# Altium PCB PCB1.PcbDoc (part 9 of 14)
Units mm, origin at the board's own origin, x right, y up, seen from the top; angles counter-clockwise.
Board outline 77.2 x 62.23 mm, 2 copper layers (Top Layer, Bottom Layer); 102 components, 131 nets, 23089 pads, 324 vias.
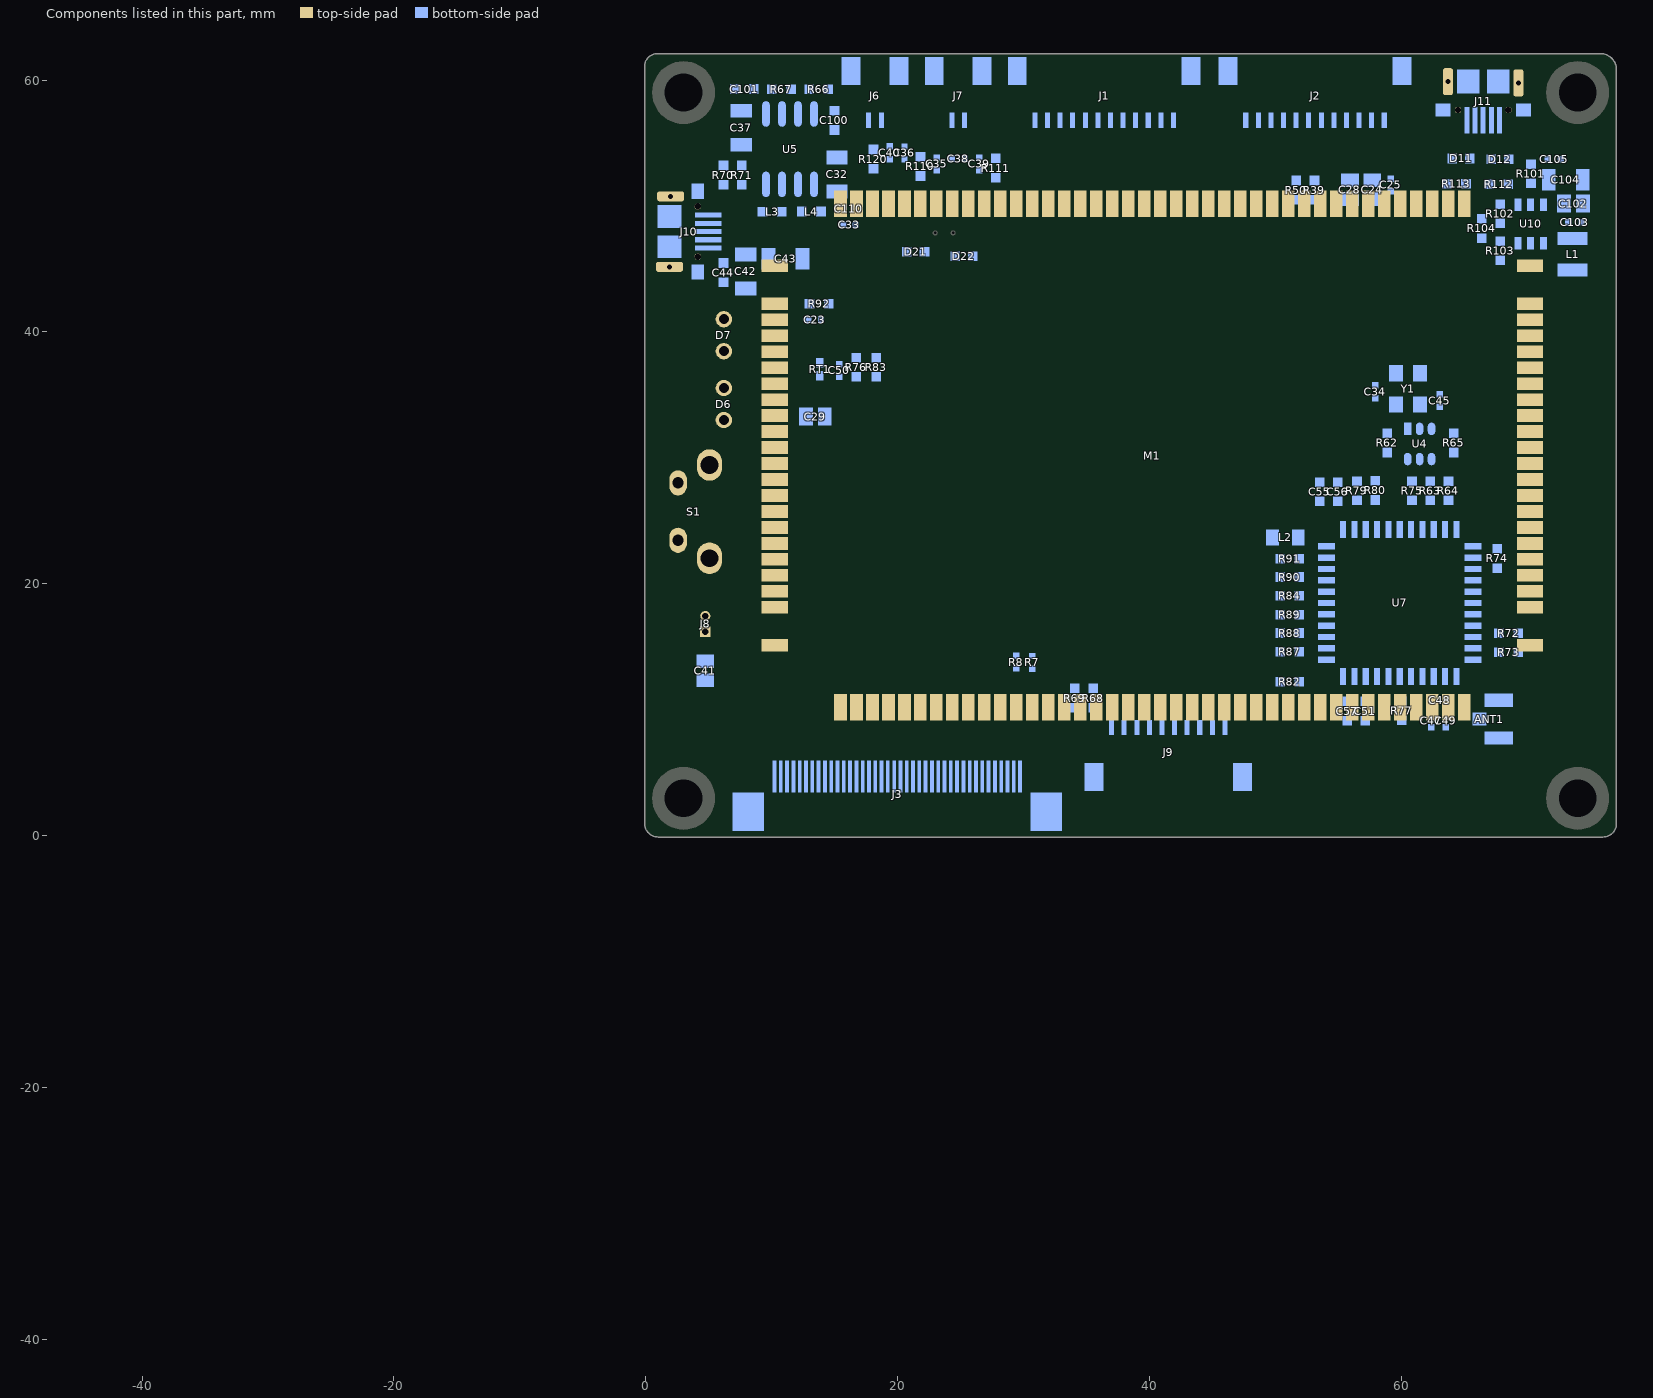
[diagram p9: the components of this part, seen from the top]

## Free pads (board coordinates) (continued)
  round 0 on Mech2: 1(-45.229,-40.511) 1(-45.229,-40.51) 1(-45.229,-40.51) 1(-45.229,-40.51) 1(-45.229,-40.51) 1(-45.229,-40.51) 1(-45.229,-40.51) 1(-45.229,-40.502) 1(-45.229,-40.502) 1(-45.229,-40.502) 1(-45.229,-40.466) 1(-45.229,-40.466) 1(-45.229,-40.466) 1(-45.229,-40.497) 1(-45.229,-40.497) 1(-45.229,-40.497) 1(-45.229,-40.488) 1(-45.229,-40.488) 1(-45.229,-40.488) 1(-45.229,-40.488) 1(-45.229,-40.488) 1(-45.229,-40.488) 1(-45.229,-40.484) 1(-45.229,-40.484) 1(-45.229,-40.484) 1(-45.229,-40.484) 1(-45.229,-40.484) 1(-45.229,-40.484) 1(-45.229,-40.49) 1(-45.229,-40.49) 1(-45.229,-40.49) 1(-45.229,-40.49) 1(-45.229,-40.49) 1(-45.229,-40.49) 1(-45.229,-40.489) 1(-45.229,-40.489) 1(-45.229,-40.489) 1(-45.229,-40.489) 1(-45.229,-40.489) 1(-45.229,-40.489) 1(-45.229,-40.475) 1(-45.229,-40.475) 1(-45.229,-40.475) 1(-45.229,-40.511) 1(-45.229,-40.511) 1(-45.229,-40.511) 1(-45.229,-40.467) 1(-45.229,-40.467) 1(-45.229,-40.467) 1(-45.229,-40.467) 1(-45.229,-40.467) 1(-45.229,-40.467) 1(-45.229,-40.488) 1(-45.229,-40.488) 1(-45.229,-40.488) 1(-45.229,-40.488) 1(-45.229,-40.488) 1(-45.229,-40.488) 1(-45.229,-40.484) 1(-45.229,-40.484) 1(-45.229,-40.484) 1(-45.229,-40.484) 1(-45.229,-40.484) 1(-45.229,-40.484) 1(-45.229,-40.471) 1(-45.229,-40.471) 1(-45.229,-40.471) 1(-45.228,-40.5) 1(-45.228,-40.5) 1(-45.228,-40.5) 1(-45.228,-40.5) 1(-45.228,-40.5) 1(-45.228,-40.5) 1(-45.228,-40.499) 1(-45.228,-40.499) 1(-45.228,-40.499) 1(-45.228,-40.499) 1(-45.228,-40.499) 1(-45.228,-40.499) 1(-45.228,-40.466) 1(-45.228,-40.466) 1(-45.228,-40.466) 1(-45.228,-40.493) 1(-45.228,-40.493) 1(-45.228,-40.493) 1(-45.228,-40.493) 1(-45.228,-40.493) 1(-45.228,-40.493) 1(-45.228,-40.489) 1(-45.228,-40.489) 1(-45.228,-40.489) 1(-45.228,-40.489) 1(-45.228,-40.489) 1(-45.228,-40.489) 1(-45.228,-40.5) 1(-45.228,-40.5) 1(-45.228,-40.5) 1(-45.228,-40.5) 1(-45.228,-40.5) 1(-45.228,-40.5) 1(-45.228,-40.469) 1(-45.228,-40.469) 1(-45.228,-40.469) 1(-45.228,-40.469) 1(-45.228,-40.469) 1(-45.228,-40.469) 1(-45.228,-40.473) 1(-45.228,-40.473) 1(-45.228,-40.473) 1(-45.228,-40.473) 1(-45.228,-40.473) 1(-45.228,-40.473) 1(-45.228,-40.517) 1(-45.228,-40.517) 1(-45.228,-40.517) 1(-45.228,-40.488) 1(-45.228,-40.488) 1(-45.228,-40.488) 1(-45.228,-40.488) 1(-45.228,-40.488) 1(-45.228,-40.488) 1(-45.228,-40.484) 1(-45.228,-40.484) 1(-45.228,-40.484) 1(-45.228,-40.484) 1(-45.228,-40.484) 1(-45.228,-40.484) 1(-45.228,-40.47) 1(-45.228,-40.47) 1(-45.228,-40.47) 1(-45.228,-40.47) 1(-45.228,-40.47) 1(-45.228,-40.47) 1(-45.228,-40.509) 1(-45.228,-40.509) 1(-45.228,-40.509) 1(-45.228,-40.508) 1(-45.228,-40.508) 1(-45.228,-40.508) 1(-45.228,-40.507) 1(-45.228,-40.507) 1(-45.228,-40.507) 1(-45.228,-40.507) 1(-45.228,-40.507) 1(-45.228,-40.507) 1(-45.228,-40.507) 1(-45.228,-40.507) 1(-45.228,-40.507) 1(-45.228,-40.507) 1(-45.228,-40.507) 1(-45.228,-40.507) 1(-45.228,-40.5) 1(-45.228,-40.5) 1(-45.228,-40.5) 1(-45.228,-40.5) 1(-45.228,-40.5) 1(-45.228,-40.5) 1(-45.228,-40.473) 1(-45.228,-40.473) 1(-45.228,-40.473) 1(-45.228,-40.473) 1(-45.228,-40.473) 1(-45.228,-40.473) 1(-45.228,-40.493) 1(-45.228,-40.493) 1(-45.228,-40.493) 1(-45.228,-40.493) 1(-45.228,-40.493) 1(-45.228,-40.493) 1(-45.228,-40.489) 1(-45.228,-40.489) 1(-45.228,-40.489) 1(-45.228,-40.489) 1(-45.228,-40.489) 1(-45.228,-40.489) 1(-45.228,-40.502) 1(-45.228,-40.502) 1(-45.228,-40.502) 1(-45.228,-40.496) 1(-45.228,-40.496) 1(-45.228,-40.496) 1(-45.228,-40.473) 1(-45.228,-40.473) 1(-45.228,-40.473) 1(-45.228,-40.473) 1(-45.228,-40.473) 1(-45.228,-40.473) 1(-45.228,-40.472) 1(-45.228,-40.472) 1(-45.228,-40.472) 1(-45.228,-40.472) 1(-45.228,-40.472) 1(-45.228,-40.472) 1(-45.228,-40.468) 1(-45.228,-40.468) 1(-45.228,-40.468) 1(-45.228,-40.468) 1(-45.228,-40.468) 1(-45.228,-40.468) 1(-45.228,-40.466) 1(-45.228,-40.466) 1(-45.228,-40.466) 1(-45.228,-40.47) 1(-45.228,-40.47) 1(-45.228,-40.47) 1(-45.228,-40.47) 1(-45.228,-40.47) 1(-45.228,-40.47) 1(-45.228,-40.469) 1(-45.228,-40.469) 1(-45.228,-40.469) 1(-45.228,-40.469) 1(-45.228,-40.469) 1(-45.228,-40.469) 1(-45.228,-40.468) 1(-45.228,-40.468) 1(-45.228,-40.468) 1(-45.228,-40.468) 1(-45.228,-40.468) 1(-45.228,-40.468) 1(-45.228,-40.47) 1(-45.228,-40.47) 1(-45.228,-40.47) 1(-45.228,-40.47) 1(-45.228,-40.47) 1(-45.228,-40.47) 1(-45.228,-40.488) 1(-45.228,-40.488) 1(-45.228,-40.488) 1(-45.228,-40.488) 1(-45.228,-40.488) 1(-45.228,-40.488) 1(-45.228,-40.484) 1(-45.228,-40.484) 1(-45.228,-40.484) 1(-45.228,-40.484) 1(-45.228,-40.484) 1(-45.228,-40.484) 1(-45.228,-40.515) 1(-45.228,-40.515) 1(-45.228,-40.515) 1(-45.228,-40.51) 1(-45.228,-40.51) 1(-45.228,-40.51) 1(-45.228,-40.471) 1(-45.228,-40.471) 1(-45.228,-40.471) 1(-45.228,-40.471) 1(-45.228,-40.471) 1(-45.228,-40.471) 1(-45.228,-40.513) 1(-45.228,-40.513) 1(-45.228,-40.513) 1(-45.228,-40.492) 1(-45.228,-40.492) 1(-45.228,-40.492) 1(-45.228,-40.492) 1(-45.228,-40.492) 1(-45.228,-40.492) 1(-45.228,-40.489) 1(-45.228,-40.489) 1(-45.228,-40.489) 1(-45.228,-40.489) 1(-45.228,-40.489) 1(-45.228,-40.489) 1(-45.228,-40.47) 1(-45.228,-40.47) 1(-45.228,-40.47) 1(-45.228,-40.47) 1(-45.228,-40.47) 1(-45.228,-40.47) 1(-45.228,-40.47) 1(-45.228,-40.47) 1(-45.228,-40.47) 1(-45.228,-40.47) 1(-45.228,-40.47) 1(-45.228,-40.47) 1(-45.227,-40.473) 1(-45.227,-40.473) 1(-45.227,-40.473) 1(-45.227,-40.473) 1(-45.227,-40.473) 1(-45.227,-40.473) 1(-45.227,-40.472) 1(-45.227,-40.472) 1(-45.227,-40.472) 1(-45.227,-40.472) 1(-45.227,-40.472) 1(-45.227,-40.472) 1(-45.227,-40.487) 1(-45.227,-40.487) 1(-45.227,-40.487) 1(-45.227,-40.487) 1(-45.227,-40.487) 1(-45.227,-40.487) 1(-45.227,-40.483) 1(-45.227,-40.483) 1(-45.227,-40.483) 1(-45.227,-40.483) 1(-45.227,-40.483) 1(-45.227,-40.483) 1(-45.227,-40.477) 1(-45.227,-40.477) 1(-45.227,-40.477) 1(-45.227,-40.477) 1(-45.227,-40.477) 1(-45.227,-40.477) 1(-45.227,-40.476) 1(-45.227,-40.476) 1(-45.227,-40.476) 1(-45.227,-40.474) 1(-45.227,-40.474) 1(-45.227,-40.474) 1(-45.227,-40.474) 1(-45.227,-40.474) 1(-45.227,-40.474) 1(-45.227,-40.474) 1(-45.227,-40.474) 1(-45.227,-40.474) 1(-45.227,-40.469) 1(-45.227,-40.469) 1(-45.227,-40.469) 1(-45.227,-40.469) 1(-45.227,-40.469) 1(-45.227,-40.469) 1(-45.227,-40.468) 1(-45.227,-40.468) 1(-45.227,-40.468) 1(-45.227,-40.468) 1(-45.227,-40.468) 1(-45.227,-40.468) 1(-45.227,-40.509) 1(-45.227,-40.509) 1(-45.227,-40.509) 1(-45.227,-40.509) 1(-45.227,-40.509) 1(-45.227,-40.509) 1(-45.227,-40.468) 1(-45.227,-40.468) 1(-45.227,-40.468) 1(-45.227,-40.468) 1(-45.227,-40.468) 1(-45.227,-40.468) 1(-45.227,-40.466) 1(-45.227,-40.466) 1(-45.227,-40.466) 1(-45.227,-40.492) 1(-45.227,-40.492) 1(-45.227,-40.492) 1(-45.227,-40.492) 1(-45.227,-40.492) 1(-45.227,-40.492) 1(-45.227,-40.489) 1(-45.227,-40.489) 1(-45.227,-40.489) 1(-45.227,-40.489) 1(-45.227,-40.489) 1(-45.227,-40.489) 1(-45.227,-40.47) 1(-45.227,-40.47) 1(-45.227,-40.47) 1(-45.227,-40.47) 1(-45.227,-40.47) 1(-45.227,-40.47) 1(-45.227,-40.47) 1(-45.227,-40.47) 1(-45.227,-40.47) 1(-45.227,-40.47) 1(-45.227,-40.47) 1(-45.227,-40.47) 1(-45.227,-40.495) 1(-45.227,-40.495) 1(-45.227,-40.495) 1(-45.227,-40.495) 1(-45.227,-40.495) 1(-45.227,-40.495) 1(-45.227,-40.494) 1(-45.227,-40.494) 1(-45.227,-40.494) 1(-45.227,-40.494) 1(-45.227,-40.494) 1(-45.227,-40.494) 1(-45.227,-40.499) 1(-45.227,-40.499) 1(-45.227,-40.499) 1(-45.227,-40.487) 1(-45.227,-40.487) 1(-45.227,-40.487) 1(-45.227,-40.487) 1(-45.227,-40.487) 1(-45.227,-40.487) 1(-45.227,-40.483) 1(-45.227,-40.483) 1(-45.227,-40.483) 1(-45.227,-40.483) 1(-45.227,-40.483) 1(-45.227,-40.483) 1(-45.227,-40.507) 1(-45.227,-40.507) 1(-45.227,-40.507) 1(-45.227,-40.507) 1(-45.227,-40.507) 1(-45.227,-40.507) 1(-45.227,-40.47) 1(-45.227,-40.47) 1(-45.227,-40.47) 1(-45.227,-40.47) 1(-45.227,-40.47) 1(-45.227,-40.47) 1(-45.227,-40.507) 1(-45.227,-40.507) 1(-45.227,-40.507) 1(-45.227,-40.507) 1(-45.227,-40.507) 1(-45.227,-40.507) 1(-45.227,-40.473) 1(-45.227,-40.473) 1(-45.227,-40.473) 1(-45.227,-40.473) 1(-45.227,-40.473) 1(-45.227,-40.473) 1(-45.227,-40.492) 1(-45.227,-40.492) 1(-45.227,-40.492) 1(-45.227,-40.492) 1(-45.227,-40.492) 1(-45.227,-40.492) 1(-45.227,-40.489) 1(-45.227,-40.489) 1(-45.227,-40.489) 1(-45.227,-40.489) 1(-45.227,-40.489) 1(-45.227,-40.489) 1(-45.227,-40.472) 1(-45.227,-40.472) 1(-45.227,-40.472) 1(-45.227,-40.47) 1(-45.227,-40.47) 1(-45.227,-40.47) 1(-45.227,-40.47) 1(-45.227,-40.47) 1(-45.227,-40.47) 1(-45.227,-40.494) 1(-45.227,-40.494) 1(-45.227,-40.494) 1(-45.227,-40.494) 1(-45.227,-40.494) 1(-45.227,-40.494) 1(-45.227,-40.494) 1(-45.227,-40.494) 1(-45.227,-40.494) 1(-45.227,-40.494) 1(-45.227,-40.494) 1(-45.227,-40.494) 1(-45.227,-40.507) 1(-45.227,-40.507) 1(-45.227,-40.507) 1(-45.227,-40.507) 1(-45.227,-40.507) 1(-45.227,-40.507) 1(-45.227,-40.47) 1(-45.227,-40.47) 1(-45.227,-40.47) 1(-45.227,-40.47) 1(-45.227,-40.47) 1(-45.227,-40.47) 1(-45.227,-40.47) 1(-45.227,-40.47) 1(-45.227,-40.47) 1(-45.226,-40.468) 1(-45.226,-40.468) 1(-45.226,-40.468) 1(-45.226,-40.468) 1(-45.226,-40.468) 1(-45.226,-40.468) 1(-45.226,-40.466) 1(-45.226,-40.466) 1(-45.226,-40.466) 1(-45.226,-40.487) 1(-45.226,-40.487) 1(-45.226,-40.487) 1(-45.226,-40.487) 1(-45.226,-40.487) 1(-45.226,-40.487) 1(-45.226,-40.483) 1(-45.226,-40.483) 1(-45.226,-40.483) 1(-45.226,-40.483) 1(-45.226,-40.483) 1(-45.226,-40.483) 1(-45.226,-40.478) 1(-45.226,-40.478) 1(-45.226,-40.478) 1(-45.226,-40.478) 1(-45.226,-40.478) 1(-45.226,-40.478) 1(-45.226,-40.473) 1(-45.226,-40.473) 1(-45.226,-40.473) 1(-45.226,-40.473) 1(-45.226,-40.473) 1(-45.226,-40.473) 1(-45.226,-40.473) 1(-45.226,-40.473) 1(-45.226,-40.473) 1(-45.226,-40.468) 1(-45.226,-40.468) 1(-45.226,-40.468) 1(-45.226,-40.468) 1(-45.226,-40.468) 1(-45.226,-40.468) 1(-45.226,-40.496) 1(-45.226,-40.496) 1(-45.226,-40.496) 1(-45.226,-40.496) 1(-45.226,-40.496) 1(-45.226,-40.496) 1(-45.226,-40.494) 1(-45.226,-40.494) 1(-45.226,-40.494) 1(-45.226,-40.494) 1(-45.226,-40.494) 1(-45.226,-40.494) 1(-45.226,-40.494) 1(-45.226,-40.494) 1(-45.226,-40.494) 1(-45.226,-40.494) 1(-45.226,-40.494) 1(-45.226,-40.494) 1(-45.226,-40.491) 1(-45.226,-40.491) 1(-45.226,-40.491) 1(-45.226,-40.491) 1(-45.226,-40.491) 1(-45.226,-40.491) 1(-45.226,-40.488) 1(-45.226,-40.488) 1(-45.226,-40.488) 1(-45.226,-40.488) 1(-45.226,-40.488) 1(-45.226,-40.488) 1(-45.226,-40.51) 1(-45.226,-40.51) 1(-45.226,-40.51) 1(-45.226,-40.51) 1(-45.226,-40.51) 1(-45.226,-40.51) 1(-45.226,-40.5) 1(-45.226,-40.5) 1(-45.226,-40.5) 1(-45.226,-40.5) 1(-45.226,-40.5) 1(-45.226,-40.5) 1(-45.226,-40.508) 1(-45.226,-40.508) 1(-45.226,-40.508) 1(-45.226,-40.508) 1(-45.226,-40.508) 1(-45.226,-40.508) 1(-45.226,-40.487) 1(-45.226,-40.487) 1(-45.226,-40.487) 1(-45.226,-40.487) 1(-45.226,-40.487) 1(-45.226,-40.487) 1(-45.226,-40.483) 1(-45.226,-40.483) 1(-45.226,-40.483) 1(-45.226,-40.483) 1(-45.226,-40.483) 1(-45.226,-40.483) 1(-45.226,-40.502) 1(-45.226,-40.502) 1(-45.226,-40.502) 1(-45.226,-40.5) 1(-45.226,-40.5) 1(-45.226,-40.5) 1(-45.226,-40.481) 1(-45.226,-40.481) 1(-45.226,-40.481) 1(-45.226,-40.481) 1(-45.226,-40.481) 1(-45.226,-40.481) 1(-45.226,-40.503) 1(-45.226,-40.503) 1(-45.226,-40.503) 1(-45.226,-40.509) 1(-45.226,-40.509) 1(-45.226,-40.509) 1(-45.226,-40.509) 1(-45.226,-40.509) 1(-45.226,-40.509) 1(-45.226,-40.507) 1(-45.226,-40.507) 1(-45.226,-40.507) 1(-45.226,-40.507) 1(-45.226,-40.507) 1(-45.226,-40.507) 1(-45.226,-40.507) 1(-45.226,-40.507) 1(-45.226,-40.507) 1(-45.226,-40.507) 1(-45.226,-40.507) 1(-45.226,-40.507) 1(-45.226,-40.491) 1(-45.226,-40.491) 1(-45.226,-40.491) 1(-45.226,-40.491) 1(-45.226,-40.491) 1(-45.226,-40.491) 1(-45.226,-40.488) 1(-45.226,-40.488) 1(-45.226,-40.488) 1(-45.226,-40.488) 1(-45.226,-40.488) 1(-45.226,-40.488) 1(-45.226,-40.492) 1(-45.226,-40.492) 1(-45.226,-40.492) 1(-45.226,-40.492) 1(-45.226,-40.492) 1(-45.226,-40.492) 1(-45.226,-40.48) 1(-45.226,-40.48) 1(-45.226,-40.48) 1(-45.226,-40.48) 1(-45.226,-40.48) 1(-45.226,-40.48) 1(-45.226,-40.475) 1(-45.226,-40.475) 1(-45.226,-40.475) 1(-45.226,-40.473) 1(-45.226,-40.473) 1(-45.226,-40.473) 1(-45.226,-40.498) 1(-45.226,-40.498) 1(-45.226,-40.498) 1(-45.226,-40.498) 1(-45.226,-40.498) 1(-45.226,-40.498) 1(-45.226,-40.493) 1(-45.226,-40.493) 1(-45.226,-40.493) 1(-45.226,-40.493) 1(-45.226,-40.493) 1(-45.226,-40.493) 1(-45.226,-40.478) 1(-45.226,-40.478) 1(-45.226,-40.478) 1(-45.226,-40.478) 1(-45.226,-40.478) 1(-45.226,-40.478) 1(-45.226,-40.476) 1(-45.226,-40.476) 1(-45.226,-40.476) 1(-45.226,-40.481) 1(-45.226,-40.481) 1(-45.226,-40.481) 1(-45.226,-40.481) 1(-45.226,-40.481) 1(-45.226,-40.481) 1(-45.226,-40.51) 1(-45.226,-40.51) 1(-45.226,-40.51) 1(-45.226,-40.51) 1(-45.226,-40.51) 1(-45.226,-40.51) 1(-45.226,-40.509) 1(-45.226,-40.509) 1(-45.226,-40.509) 1(-45.226,-40.509) 1(-45.226,-40.509) 1(-45.226,-40.509) 1(-45.226,-40.476) 1(-45.226,-40.476) 1(-45.226,-40.476) 1(-45.226,-40.476) 1(-45.226,-40.476) 1(-45.226,-40.476) 1(-45.226,-40.48) 1(-45.226,-40.48) 1(-45.226,-40.48) 1(-45.226,-40.48) 1(-45.226,-40.48) 1(-45.226,-40.48) 1(-45.226,-40.506) 1(-45.226,-40.506) 1(-45.226,-40.506) 1(-45.226,-40.506) 1(-45.226,-40.506) 1(-45.226,-40.506) 1(-45.226,-40.479) 1(-45.226,-40.479) 1(-45.226,-40.479) 1(-45.226,-40.479) 1(-45.226,-40.479) 1(-45.226,-40.479) 1(-45.226,-40.48) 1(-45.226,-40.48) 1(-45.226,-40.48) 1(-45.226,-40.48) 1(-45.226,-40.48) 1(-45.226,-40.48) 1(-45.226,-40.486) 1(-45.226,-40.486) 1(-45.226,-40.486) 1(-45.226,-40.486) 1(-45.226,-40.486) 1(-45.226,-40.486) 1(-45.226,-40.483) 1(-45.226,-40.483) 1(-45.226,-40.483) 1(-45.226,-40.483) 1(-45.226,-40.483) 1(-45.226,-40.483) 1(-45.225,-40.471) 1(-45.225,-40.471) 1(-45.225,-40.471) 1(-45.225,-40.471) 1(-45.225,-40.471) 1(-45.225,-40.471) 1(-45.225,-40.471) 1(-45.225,-40.471) 1(-45.225,-40.471) 1(-45.225,-40.471) 1(-45.225,-40.471) 1(-45.225,-40.471) 1(-45.225,-40.491) 1(-45.225,-40.491) 1(-45.225,-40.491) 1(-45.225,-40.491) 1(-45.225,-40.491) 1(-45.225,-40.491) 1(-45.225,-40.49) 1(-45.225,-40.49) 1(-45.225,-40.49) 1(-45.225,-40.49) 1(-45.225,-40.49) 1(-45.225,-40.49) 1(-45.225,-40.488) 1(-45.225,-40.488) 1(-45.225,-40.488) 1(-45.225,-40.488) 1(-45.225,-40.488) 1(-45.225,-40.488) 1(-45.225,-40.506) 1(-45.225,-40.506) 1(-45.225,-40.506) 1(-45.225,-40.506) 1(-45.225,-40.506) 1(-45.225,-40.506) 1(-45.225,-40.478) 1(-45.225,-40.478) 1(-45.225,-40.478) 1(-45.225,-40.478) 1(-45.225,-40.478) 1(-45.225,-40.478) 1(-45.225,-40.472) 1(-45.225,-40.472) 1(-45.225,-40.472) 1(-45.225,-40.466) 1(-45.225,-40.466) 1(-45.225,-40.466) 1(-45.225,-40.47) 1(-45.225,-40.47) 1(-45.225,-40.47) 1(-45.225,-40.488) 1(-45.225,-40.488) 1(-45.225,-40.488) 1(-45.225,-40.488) 1(-45.225,-40.488) 1(-45.225,-40.488) 1(-45.225,-40.488) 1(-45.225,-40.488) 1(-45.225,-40.488) 1(-45.225,-40.488) 1(-45.225,-40.488) 1(-45.225,-40.488) 1(-45.225,-40.469) 1(-45.225,-40.469) 1(-45.225,-40.469) 1(-45.225,-40.469) 1(-45.225,-40.469) 1(-45.225,-40.469) 1(-45.225,-40.519) 1(-45.225,-40.519) 1(-45.225,-40.519) 1(-45.225,-40.498) 1(-45.225,-40.498) 1(-45.225,-40.498) 1(-45.225,-40.482) 1(-45.225,-40.482) 1(-45.225,-40.482) 1(-45.225,-40.482) 1(-45.225,-40.482) 1(-45.225,-40.482) 1(-45.225,-40.475) 1(-45.225,-40.475) 1(-45.225,-40.475) 1(-45.225,-40.475) 1(-45.225,-40.475) 1(-45.225,-40.475) 1(-45.225,-40.48) 1(-45.225,-40.48) 1(-45.225,-40.48) 1(-45.225,-40.48) 1(-45.225,-40.48) 1(-45.225,-40.48) 1(-45.225,-40.487) 1(-45.225,-40.487) 1(-45.225,-40.487) 1(-45.225,-40.487) 1(-45.225,-40.487) 1(-45.225,-40.487) 1(-45.225,-40.483) 1(-45.225,-40.483) 1(-45.225,-40.483) 1(-45.225,-40.483) 1(-45.225,-40.483) 1(-45.225,-40.483) 1(-45.225,-40.482) 1(-45.225,-40.482) 1(-45.225,-40.482) 1(-45.225,-40.482) 1(-45.225,-40.482) 1(-45.225,-40.482) 1(-45.225,-40.482) 1(-45.225,-40.482) 1(-45.225,-40.482) 1(-45.225,-40.482) 1(-45.225,-40.482) 1(-45.225,-40.482) 1(-45.225,-40.482) 1(-45.225,-40.482) 1(-45.225,-40.482) 1(-45.225,-40.482) 1(-45.225,-40.482) 1(-45.225,-40.482) 1(-45.225,-40.47) 1(-45.225,-40.47) 1(-45.225,-40.47) 1(-45.225,-40.47) 1(-45.225,-40.47) 1(-45.225,-40.47) 1(-45.225,-40.47) 1(-45.225,-40.47) 1(-45.225,-40.47) 1(-45.225,-40.47) 1(-45.225,-40.47) 1(-45.225,-40.47) 1(-45.224,-40.479) 1(-45.224,-40.479) 1(-45.224,-40.479) 1(-45.224,-40.479) 1(-45.224,-40.479) 1(-45.224,-40.479) 1(-45.224,-40.481) 1(-45.224,-40.481) 1(-45.224,-40.481) 1(-45.224,-40.481) 1(-45.224,-40.481) 1(-45.224,-40.481) 1(-45.224,-40.481) 1(-45.224,-40.481) 1(-45.224,-40.481) 1(-45.224,-40.481) 1(-45.224,-40.481) 1(-45.224,-40.481) 1(-45.224,-40.516) 1(-45.224,-40.516) 1(-45.224,-40.516) 1(-45.224,-40.513) 1(-45.224,-40.513) 1(-45.224,-40.513) 1(-45.224,-40.477) 1(-45.224,-40.477) 1(-45.224,-40.477) 1(-45.224,-40.477) 1(-45.224,-40.477) 1(-45.224,-40.477) 1(-45.224,-40.476) 1(-45.224,-40.476) 1(-45.224,-40.476) 1(-45.224,-40.474) 1(-45.224,-40.474) 1(-45.224,-40.474) 1(-45.224,-40.474) 1(-45.224,-40.474) 1(-45.224,-40.474) 1(-45.224,-40.473) 1(-45.224,-40.473) 1(-45.224,-40.473) 1(-45.224,-40.473) 1(-45.224,-40.473) 1(-45.224,-40.473) 1(-45.224,-40.472) 1(-45.224,-40.472) 1(-45.224,-40.472) 1(-45.224,-40.472) 1(-45.224,-40.472) 1(-45.224,-40.472) 1(-45.224,-40.475) 1(-45.224,-40.475) 1(-45.224,-40.475) 1(-45.224,-40.475) 1(-45.224,-40.475) 1(-45.224,-40.475) 1(-45.224,-40.482) 1(-45.224,-40.482) 1(-45.224,-40.482) 1(-45.224,-40.482) 1(-45.224,-40.482) 1(-45.224,-40.482) 1(-45.224,-40.482) 1(-45.224,-40.482) 1(-45.224,-40.482) 1(-45.224,-40.482) 1(-45.224,-40.482) 1(-45.224,-40.482) 1(-45.224,-40.482) 1(-45.224,-40.482) 1(-45.224,-40.482) 1(-45.224,-40.482) 1(-45.224,-40.482) 1(-45.224,-40.482) 1(-45.224,-40.482) 1(-45.224,-40.482) 1(-45.224,-40.482) 1(-45.224,-40.482) 1(-45.224,-40.482) 1(-45.224,-40.482) 1(-45.224,-40.475) 1(-45.224,-40.475) 1(-45.224,-40.475) 1(-45.224,-40.475) 1(-45.224,-40.475) 1(-45.224,-40.475) 1(-45.223,-40.477) 1(-45.223,-40.477) 1(-45.223,-40.477) 1(-45.223,-40.477) 1(-45.223,-40.477) 1(-45.223,-40.477) 1(-45.223,-40.463) 1(-45.223,-40.463) 1(-45.223,-40.463) 1(-45.223,-40.475) 1(-45.223,-40.475) 1(-45.223,-40.475) 1(-45.223,-40.477) 1(-45.223,-40.477) 1(-45.223,-40.477) 1(-45.223,-40.477) 1(-45.223,-40.477) 1(-45.223,-40.477) 1(-45.223,-40.476) 1(-45.223,-40.476) 1(-45.223,-40.476) 1(-45.223,-40.474) 1(-45.223,-40.474) 1(-45.223,-40.474) 1(-45.223,-40.474) 1(-45.223,-40.474) 1(-45.223,-40.474) 1(-45.223,-40.473) 1(-45.223,-40.473) 1(-45.223,-40.473) 1(-45.223,-40.473) 1(-45.223,-40.473) 1(-45.223,-40.473) 1(-45.223,-40.473) 1(-45.223,-40.473) 1(-45.223,-40.473) 1(-45.223,-40.473) 1(-45.223,-40.473) 1(-45.223,-40.473) 1(-45.223,-40.468) 1(-45.223,-40.468) 1(-45.223,-40.468) 1(-45.223,-40.471) 1(-45.223,-40.471) 1(-45.223,-40.471) 1(-45.223,-40.479) 1(-45.223,-40.479) 1(-45.223,-40.479) 1(-45.223,-40.507) 1(-45.223,-40.507) 1(-45.223,-40.507) 1(-45.223,-40.509) 1(-45.223,-40.509) 1(-45.223,-40.509) 1(-45.223,-40.462) 1(-45.223,-40.462) 1(-45.223,-40.462) 1(-45.223,-40.516) 1(-45.223,-40.516) 1(-45.223,-40.516) 1(-45.222,-40.477) 1(-45.222,-40.477) 1(-45.222,-40.477) 1(-45.222,-40.477) 1(-45.222,-40.477) 1(-45.222,-40.477) 1(-45.222,-40.476) 1(-45.222,-40.476) 1(-45.222,-40.476) 1(-45.222,-40.473) 1(-45.222,-40.473) 1(-45.222,-40.473) 1(-45.222,-40.463) 1(-45.222,-40.463) 1(-45.222,-40.463) 1(-45.222,-40.47) 1(-45.222,-40.47) 1(-45.222,-40.47) 1(-45.222,-40.47) 1(-45.222,-40.47) 1(-45.222,-40.47) 1(-45.222,-40.469) 1(-45.222,-40.469) 1(-45.222,-40.469) 1(-45.222,-40.469) 1(-45.222,-40.469) 1(-45.222,-40.469) 1(-45.222,-40.471) 1(-45.222,-40.471) 1(-45.222,-40.471) 1(-45.222,-40.471) 1(-45.222,-40.471) 1(-45.222,-40.471) 1(-45.222,-40.47) 1(-45.222,-40.47) 1(-45.222,-40.47) 1(-45.222,-40.47) 1(-45.222,-40.47) 1(-45.222,-40.47) 1(-45.222,-40.471) 1(-45.222,-40.471) 1(-45.222,-40.471) 1(-45.222,-40.471) 1(-45.222,-40.471) 1(-45.222,-40.471) 1(-45.222,-40.494) 1(-45.222,-40.494) 1(-45.222,-40.494) 1(-45.222,-40.502) 1(-45.222,-40.502) 1(-45.222,-40.502) 1(-45.222,-40.502) 1(-45.222,-40.502) 1(-45.222,-40.502) 1(-45.222,-40.495) 1(-45.222,-40.495) 1(-45.222,-40.495) 1(-45.222,-40.495) 1(-45.222,-40.495) 1(-45.222,-40.495) 1(-45.222,-40.492) 1(-45.222,-40.492) 1(-45.222,-40.492) 1(-45.222,-40.519) 1(-45.222,-40.519) 1(-45.222,-40.519) 1(-45.222,-40.489) 1(-45.222,-40.489) 1(-45.222,-40.489) 1(-45.222,-40.489) 1(-45.222,-40.489) 1(-45.222,-40.489) 1(-45.222,-40.485) 1(-45.222,-40.485) 1(-45.222,-40.485) 1(-45.222,-40.485) 1(-45.222,-40.485) 1(-45.222,-40.485) 1(-45.222,-40.508) 1(-45.222,-40.508) 1(-45.222,-40.508) 1(-45.222,-40.49) 1(-45.222,-40.49) 1(-45.222,-40.49) 1(-45.222,-40.483) 1(-45.222,-40.483) 1(-45.222,-40.483) 1(-45.222,-40.473) 1(-45.222,-40.473) 1(-45.222,-40.473) 1(-45.222,-40.473) 1(-45.222,-40.473) 1(-45.222,-40.473) 1(-45.222,-40.473) 1(-45.222,-40.473) 1(-45.222,-40.473) 1(-45.222,-40.48) 1(-45.222,-40.48) 1(-45.222,-40.48) 1(-45.222,-40.467) 1(-45.222,-40.467) 1(-45.222,-40.467) 1(-45.222,-40.504) 1(-45.222,-40.504) 1(-45.222,-40.504) 1(-45.221,-40.475) 1(-45.221,-40.475) 1(-45.221,-40.475) 1(-45.221,-40.501) 1(-45.221,-40.501) 1(-45.221,-40.501) 1(-45.221,-40.501) 1(-45.221,-40.501) 1(-45.221,-40.501) 1(-45.221,-40.492) 1(-45.221,-40.492) 1(-45.221,-40.492) 1(-45.221,-40.492) 1(-45.221,-40.492) 1(-45.221,-40.492) 1(-45.221,-40.488) 1(-45.221,-40.488) 1(-45.221,-40.488) 1(-45.221,-40.485) 1(-45.221,-40.485) 1(-45.221,-40.485) 1(-45.221,-40.469) 1(-45.221,-40.469) 1(-45.221,-40.469) 1(-45.221,-40.484) 1(-45.221,-40.484) 1(-45.221,-40.484) 1(-45.221,-40.478) 1(-45.221,-40.478) 1(-45.221,-40.478) 1(-45.221,-40.478) 1(-45.221,-40.478) 1(-45.221,-40.478) 1(-45.221,-40.473) 1(-45.221,-40.473) 1(-45.221,-40.473) 1(-45.221,-40.473) 1(-45.221,-40.473) 1(-45.221,-40.473) 1(-45.221,-40.5) 1(-45.221,-40.5) 1(-45.221,-40.5) 1(-45.221,-40.5) 1(-45.221,-40.5) 1(-45.221,-40.5) 1(-45.221,-40.485) 1(-45.221,-40.485) 1(-45.221,-40.485) 1(-45.221,-40.485) 1(-45.221,-40.485) 1(-45.221,-40.485) 1(-45.221,-40.473) 1(-45.221,-40.473) 1(-45.221,-40.473) 1(-45.221,-40.473) 1(-45.221,-40.473) 1(-45.221,-40.473) 1(-45.221,-40.514) 1(-45.221,-40.514) 1(-45.221,-40.514) 1(-45.22,-40.475) 1(-45.22,-40.475) 1(-45.22,-40.475) 1(-45.22,-40.475) 1(-45.22,-40.475) 1(-45.22,-40.475) 1(-45.22,-40.475) 1(-45.22,-40.475) 1(-45.22,-40.475) 1(-45.22,-40.475) 1(-45.22,-40.475) 1(-45.22,-40.475) 1(-45.22,-40.473) 1(-45.22,-40.473) 1(-45.22,-40.473) 1(-45.22,-40.473) 1(-45.22,-40.473) 1(-45.22,-40.473) 1(-45.22,-40.47) 1(-45.22,-40.47) 1(-45.22,-40.47) 1(-45.22,-40.499) 1(-45.22,-40.499) 1(-45.22,-40.499) 1(-45.22,-40.499) 1(-45.22,-40.499) 1(-45.22,-40.499) 1(-45.22,-40.484) 1(-45.22,-40.484) 1(-45.22,-40.484) 1(-45.22,-40.484) 1(-45.22,-40.484) 1(-45.22,-40.484) 1(-45.22,-40.478) 1(-45.22,-40.478) 1(-45.22,-40.478) 1(-45.22,-40.476) 1(-45.22,-40.476) 1(-45.22,-40.476) 1(-45.22,-40.467) 1(-45.22,-40.467) 1(-45.22,-40.467) 1(-45.219,-40.482) 1(-45.219,-40.482) 1(-45.219,-40.482) 1(-45.219,-40.475) 1(-45.219,-40.475) 1(-45.219,-40.475) 1(-45.219,-40.473) 1(-45.219,-40.473) 1(-45.219,-40.473) 1(-45.219,-40.473) 1(-45.219,-40.473) 1(-45.219,-40.473) 1(-45.219,-40.471) 1(-45.219,-40.471) 1(-45.219,-40.471) 1(-45.219,-40.473) 1(-45.219,-40.473) 1(-45.219,-40.473) 1(-45.219,-40.473) 1(-45.219,-40.473) 1(-45.219,-40.473) 1(-45.219,-40.471) 1(-45.219,-40.471) 1(-45.219,-40.471) 1(-45.219,-40.471) 1(-45.219,-40.471) 1(-45.219,-40.471) 1(-45.219,-40.508) 1(-45.219,-40.508) 1(-45.219,-40.508) 1(-45.219,-40.495) 1(-45.219,-40.495) 1(-45.219,-40.495) 1(-45.219,-40.47) 1(-45.219,-40.47) 1(-45.219,-40.47) 1(-45.218,-40.471) 1(-45.218,-40.471) 1(-45.218,-40.471) 1(-45.218,-40.476) 1(-45.218,-40.476) 1(-45.218,-40.476) 1(-45.218,-40.473) 1(-45.218,-40.473) 1(-45.218,-40.473) 1(-45.218,-40.478) 1(-45.218,-40.478) 1(-45.218,-40.478) 1(-45.218,-40.519) 1(-45.218,-40.519) 1(-45.218,-40.519) 1(-45.218,-40.515) 1(-45.218,-40.515) 1(-45.218,-40.515) 1(-45.218,-40.482) 1(-45.218,-40.482) 1(-45.218,-40.482) 1(-45.218,-40.462) 1(-45.218,-40.462) 1(-45.218,-40.462) 1(-45.217,-40.486) 1(-45.217,-40.486) 1(-45.217,-40.486) 1(-45.217,-40.494) 1(-45.217,-40.494) 1(-45.217,-40.494) 1(-45.217,-40.49) 1(-45.217,-40.49) 1(-45.217,-40.49) 1(-45.217,-40.466) 1(-45.217,-40.466) 1(-45.217,-40.466) 1(-45.217,-40.503) 1(-45.217,-40.503) 1(-45.217,-40.503) 1(-45.217,-40.508) 1(-45.217,-40.508) 1(-45.217,-40.508) 1(-45.217,-40.498) 1(-45.217,-40.498) 1(-45.217,-40.498)